# Altium PCB KEA once.PcbDoc (part 4 of 4)
Units mil, origin at the board's own origin, x right, y up, seen from the top; angles counter-clockwise.
Board outline 3229.26 x 1991.89 mil, 2 copper layers (Top Layer, Bottom Layer); 76 components, 82 nets, 488 pads, 56 vias.
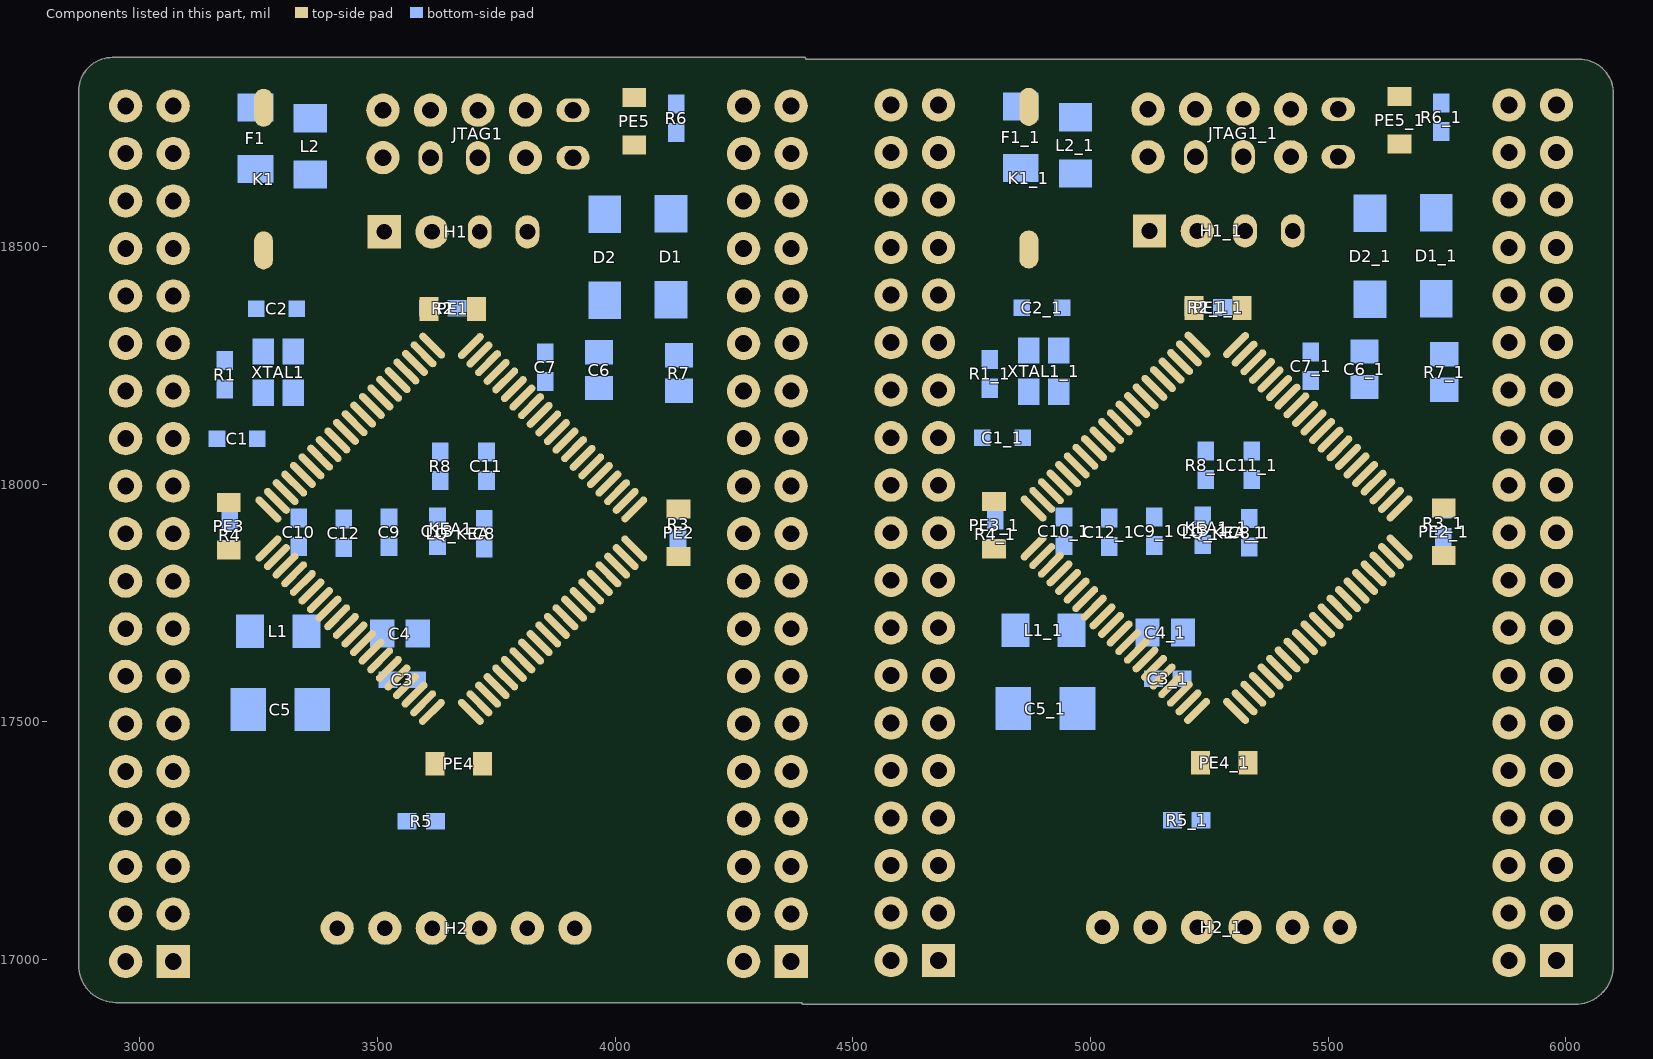
[diagram p4: the components of this part, seen from the top]

## Via types
v1: diameter 30, hole 15, Top Layer to Bottom Layer, 56 vias

## Nets (pads, with @x,y where several pads share a name; then routed paths per layer and width w, separated by ;. In a path a pad name is that pad's centre, name@x,y a point inside that pad or via, vN(x,y) a via of type N, cw(c..) or ccw(c..) an arc to the next point about the centre after c; other vN are vias at no path point) (continued)
copper on no net: (continued)
  Bottom Layer w40: 4580,18798 4649,18867 5911,18867 5980,18798 ; 4580,18813 ccw(c4580,18849.21) 4605.61,18823.61 ccw(c4631.21,18798) 4595,18798 ; 4680,16998 4955,16998 5025,17068 ; 4680,18783 cw(c4680,18746.79) 4705.61,18772.39 cw(c4731.21,18798) 4695,18798 ; 4680,18798 4766,18712 4766,18548 4820,18494 4832,18494 ; 4690.61,16987.39 cw(c4716.21,16961.79) 4716.21,16998 cw(c4716.21,17034.21) 4690.61,17008.61 ; 4798.63,17924.97 cw(c4806.96,17868.96) 4847,17909 ; 4799,17925 4831,17925 4847,17909 ; 4825.13,17547.87 ccw(c4784.65,17588.35) 4841.89,17588.35 ; 4835.15,17705.21 ccw(c4806.55,17733.81) 4847,17733.81 ; 4837.5,17503 cw(c4837.5,17442.64) 4880.18,17485.32 ; 4860.97,18804.53 ccw(c4860.97,18868.64) 4906.3,18823.3 ; 4870,18787 4943,18860 ; 4944,17871 5134,17871 5236,17871 ; 4944,17931 4947,17928 5236,17928 5334,17928 v1(5487,17928) 5487,17664 ; 4968,18772.11 5057,18683.11 5057,18600 5124,18533 5134,18533 5274,18393 ; 4972.5,17528 4990.5,17510 5168,17510 5192,17534 ; 4983,18772.11 ccw(c5019.21,18772.11) 4993.61,18746.5 ; 4984.87,17532.87 ccw(c5040.1,17588.1) 5040.1,17510 ; 5010,17068 cw(c4973.79,17068) 4999.39,17042.39 cw(c5025,17016.79) 5025,17053 ; v1(5094,17382) 5192,17480 5192,17534 ; 5109,18533 ccw(c5072.79,18533) 5098.39,18558.61 ccw(c5124,18584.21) 5124,18548 ; 5114.39,17078.61 ccw(c5088.79,17104.21) 5125,17104.21 ccw(c5161.21,17104.21) 5135.61,17078.61 ; 5124,18518 cw(c5124,18457.64) 5166.68,18500.32 ; 5125,17068 5125,17246 5063.5,17302 ; 5134,17931 5134,18122 v1(5057,18199) 5175,18317 5250,18317 5277,18344 ; 5236,17873 5236,17871 ; 5236,17933 5242,17939 5242,18010 ; 5257.2,18324.2 ccw(c5209.4,18372) 5277,18372 ; 5264.27,18402.73 cw(c5233.54,18372) 5277,18372 ; 5278.99,18373.51 cw(c5261.11,18359.9) 5277,18344 ; v1(5325,17688) 5194.4,17688 ; 5331,17871 5236,17871 ; 5339,17933 5339,18010 ; v1(5339,18070) 5464,18070 v1(5545,18151) ; 5463,18278 5464.4,18279.4 5561.4,18279.4 ; 5474,18858 5521,18811 5521,18789 ; 5479.84,18852.16 cw(c5416.67,18789) 5506,18789 ; v1@5528,18478 ccw(c5598.01,18478) 5548.51,18428.49 ; v1@5528.75,18480.63 ccw(c5554,18465) 5533,18444 ; v1(5533,18478) 5533,18444 ; 5554.93,18422.07 ccw(c5588,18455.13) 5588,18408.37 ; 5576,18279.4 5588,18291.4 5588,18389 ; 5575.98,18283.35 ccw(c5546.97,18312.36) 5588,18312.36 ; 5577.78,18373.86 cw(c5553.12,18349.2) 5588,18349.2 cw(c5622.88,18349.2) 5598.22,18373.86 ; 5588,18570.1 5589,18571.1 5727,18571.1 ; 5598.22,18378.78 cw(c5622.88,18354.12) 5622.88,18389 cw(c5622.88,18423.88) 5598.22,18399.22 ; 5598.22,18559.89 cw(c5625.3,18532.81) 5625.3,18571.1 ; 5689.08,17866.08 cw(c5742,17813.16) 5742,17888 ; 5689.08,17909.92 ccw(c5742,17962.84) 5742,17888 ; 5689.7,18389 ccw(c5689.7,18427.3) 5716.78,18400.22 ; 5716.78,18560.89 ccw(c5692.12,18536.22) 5692.12,18571.1 ccw(c5692.12,18605.98) 5716.78,18581.32 ; 5716.78,18586.24 ccw(c5665.56,18637.46) 5738,18637.46 ; 5727,18390 5726,18389 5588,18389 ; 5727,18551.73 cw(c5727,18432.79) 5811.11,18516.89 ; 5738,18742 5738,18582.1 5727,18571.1 ; 5743.54,17886.03 cw(c5728.38,17905.38) 5711,17888 ; 5743.54,17889.97 ccw(c5728.38,17870.62) 5711,17888 ; 5748.91,18204.1 ccw(c5761.34,18274.65) 5812,18224 ; 5965,18798 ccw(c5928.79,18798) 5954.39,18823.61 ccw(c5980,18849.21) 5980,18813 ; 4847,17909 4847,17698.11 4841.89,17693 4841.89,17532.39 4837.5,17528 5063.5,17302 ; 5063.5,17302 5088.38,17302 5138.12,17302 5163,17302 5172,17293 5172,17349 5487,17664 ; 5153.81,17302 cw(c5153.81,17277.31) 5171.27,17294.77 ; 5153.81,17302 cw(c5153.81,17277.31) 5171.27,17294.77 ; 5153.81,17302 cw(c5153.81,17277.31) 5171.27,17294.77 ; 5192,17534 5192,17591 5194.4,17593.4 5194.4,17688 ; 5194.4,17688 5236,17729.6 5236,17871 ; 5277,18344 5277,18372 ; 5487,17664 5711,17888 ; 5533,18444 5588,18389 ; 5711,17888 5742,17888 ; 5711,17888 5672,17927 5672,18126.6 5744,18198.6 5786.6,18198.6 5812,18224 ; 5727,18571.1 5756.9,18571.1 5812,18516 5812,18224
  other v1: 4797,17864 5743,17950 4907,18143 5236,18193 5217,18372 3350,18443 4960,18445 5738,18799

## Polygon pours and split planes (outlines as drawn)
AGND on Bottom Layer "Bottom Layer-No Net" (hatched 45Degree grid 20 track 8, remove dead copper, pour order 6): 2941.5,18897 2941,18897 ccw(c2941,18827) 2871,18827 2871,16991.94 ccw(c2952.94,16991.94) 2952.94,16910 4388,16910 4392,16910 ccw(c4392,16990) 4472,16990 4472,18825.04 ccw(c4400.04,18825.04) 4400.04,18897 4398,18897 2941,18897
no net on Bottom Layer "Bottom Layer-No Net" (hatched 45Degree grid 20 track 8, remove dead copper, pour order 5): 4551.5,18899 4551,18899 ccw(c4551,18829) 4481,18829 4481,16993.94 ccw(c4562.94,16993.94) 4562.94,16912 5998,16912 6002,16912 ccw(c6002,16992) 6082,16992 6082,18827.04 ccw(c6010.04,18827.04) 6010.04,18899 6008,18899 4551,18899
AGND on Top Layer "Bottom Layer-No Net" (hatched 45Degree grid 20 track 8, remove dead copper, pour order 8): 2942,18897 ccw(c2942,18826) 2871,18826 2871,16991.94 ccw(c2952.94,16991.94) 2952.94,16910 4392,16910 ccw(c4392,16989) 4471,16989 4471,16994 4471,18826 cw(c4475,18826) 4475,18830 ccw(c4408,18830) 4408,18897 4358,18897 2942,18897 2941,18897 ccw(c2941,18827) 2871,18827
no net on Top Layer "Bottom Layer-No Net" (hatched 45Degree grid 20 track 8, remove dead copper, pour order 7): 4552,18899 ccw(c4552,18828) 4481,18828 4481,16993.94 ccw(c4562.94,16993.94) 4562.94,16912 6002,16912 ccw(c6002,16991) 6081,16991 6081,16996 6081,18828 cw(c6085,18828) 6085,18832 ccw(c6018,18832) 6018,18899 5968,18899 4552,18899 4551,18899 ccw(c4551,18829) 4481,18829

## Keep-outs
Keep-Out Layer:
  lines w7.87: 4398,18897 2942,18897 2941,18897 ccw(c2941,18827) 2871,18827 2871,16991.94 ccw(c2952.94,16991.94) 2952.94,16910 4392,16910 ccw(c4392,16990) 4472,16990 4472,18774 4472,18825.04 ccw(c4400.04,18825.04) 4400.04,18897 ; 6008,18899 4552,18899 4551,18899 ccw(c4551,18829) 4481,18829 4481,16993.94 ccw(c4562.94,16993.94) 4562.94,16912 6002,16912 ccw(c6002,16992) 6082,16992 6082,18776 6082,18827.04 ccw(c6010.04,18827.04) 6010.04,18899

## Silkscreen, mask and mechanical layers (free items; w line width, h text height)
Top Overlay:
  text "集美大学" at 5605,17636 h118.11 r270
  text "集美大学" at 3995,17634 h118.11 r270

## Text inside footprints (layer, text, board x,y; h text height)
JTAG1: Top Overlay "2" at 4011,18707 h50 r180; Top Overlay "1" at 3991,18807 h50 r180; Top Overlay "9" at 3451,18807 h50 r180; Top Overlay "10" at 3451,18707 h50 r180
JTAG1_1: Top Overlay "2" at 5621,18709 h50 r180; Top Overlay "1" at 5601,18809 h50 r180; Top Overlay "9" at 5061,18809 h50 r180; Top Overlay "10" at 5061,18709 h50 r180
LQ_KEA: Top Overlay "-" at 3095.15,18837.26 h59.06 r90; Top Overlay "+" at 4392,18836.87 h59.06 r90; Top Overlay "-" at 4293.57,18837.26 h59.06 r90; Top Overlay "+" at 2995.15,18837.65 h59.06 r90; Top Overlay "C3" at 2927.82,17765.21 h39.37 r90; Top Overlay "H2" at 2927.82,18362.85 h39.37 r90; Top Overlay "5V" at 4457.35,18767.97 h39.37 r90; Top Overlay "A5" at 4457.35,18662.85 h39.37 r90; Top Overlay "C5" at 4457.35,18564.42 h39.37 r90; Top Overlay "E1" at 4456.96,18472.3 h39.37 r90; Top Overlay "G1" at 4457.35,18370.72 h39.37 r90; Top Overlay "G3" at 4457.35,18261.67 h39.37 r90; Top Overlay "E3" at 4456.96,18173.09 h39.37 r90; Top Overlay "I3" at 4457.35,18073.48 h39.37 r90; Top Overlay "C7" at 4457.35,17960.09 h39.37 r90; Top Overlay "A1" at 4457.35,17866 h39.37 r90; Top Overlay "A3" at 4457.35,17768.36 h39.37 r90; Top Overlay "D3" at 4457.35,17668.36 h39.37 r90; Top Overlay "F0" at 4457.35,17570.33 h39.37 r90; Top Overlay "G4" at 4457.35,17466.39 h39.37 r90; Top Overlay "G6" at 4457.35,17371.12 h39.37 r90; Top Overlay "E4" at 4457.35,17270.33 h39.37 r90; Top Overlay "A7" at 4457.35,17163.24 h39.37 r90; Top Overlay "F3" at 4457.35,17067.18 h39.37 r90; Top Overlay "GND" at 4224.28,18749.86 h39.37 r90; Top Overlay "A4" at 4224.28,18658.52 h39.37 r90; Top Overlay "C4" at 4224.28,18557.73 h39.37 r90; Top Overlay "E0" at 4224.28,18460.88 h39.37 r90; Top Overlay "G0" at 4224.28,18360.49 h39.37 r90; Top Overlay "G2" at 4224.28,18261.67 h39.37 r90; Top Overlay "E2" at 4224.28,18163.64 h39.37 r90; Top Overlay "I2" at 4224.28,18067.97 h39.37 r90; Top Overlay "C6" at 4224.28,17960.09 h39.37 r90; Top Overlay "A0" at 4224.28,17866 h39.37 r90; Top Overlay "A2" at 4224.28,17768.36 h39.37 r90; Top Overlay "D2" at 4224.28,17668.36 h39.37 r90; Top Overlay "D4" at 4224.28,17565.61 h39.37 r90; Top Overlay "F1" at 4224.28,17477.02 h39.37 r90; Top Overlay "G5" at 4224.28,17371.12 h39.37 r90; Top Overlay "G7" at 4224.28,17270.33 h39.37 r90; Top Overlay "A6" at 4224.28,17163.24 h39.37 r90; Top Overlay "F2" at 4224.28,17067.18 h39.37 r90; Top Overlay "B0" at 4224.28,16966.79 h39.37 r90; Top Overlay "GND" at 3159.71,18749.07 h39.37 r90; Top Overlay "D0" at 3159.71,18657.73 h39.37 r90; Top Overlay "H6" at 3159.71,18569.54 h39.37 r90; Top Overlay "E7" at 3160.11,18468.76 h39.37 r90; Top Overlay "B7" at 3159.71,18363.64 h39.37 r90; Top Overlay "I4" at 3160.11,18273.87 h39.37 r90; Top Overlay "I0" at 3160.11,18172.69 h39.37 r90; Top Overlay "H0" at 3159.71,18068.36 h39.37 r90; Top Overlay "E5" at 3160.11,17971.9 h39.37 r90; Top Overlay "B4" at 3159.71,17869.15 h39.37 r90; Top Overlay "C2" at 3160.5,17766.39 h39.37 r90; Top Overlay "D6" at 3159.71,17671.51 h39.37 r90; Top Overlay "I6" at 3158.53,17575.05 h39.37 r90; Top Overlay "C1" at 3159.71,17469.54 h39.37 r90; Top Overlay "H4" at 3159.71,17374.27 h39.37 r90; Top Overlay "F7" at 3160.11,17266.79 h39.37 r90; Top Overlay "F5" at 3160.11,17171.12 h39.37 r90; Top Overlay "B3" at 3159.71,17070.33 h39.37 r90; Top Overlay "GND" at 3158.53,16944.35 h39.37 r90; Top Overlay "5V" at 2916,18772 h39.37 r90; Top Overlay "D1" at 2927.82,18671.12 h39.37 r90; Top Overlay "H7" at 2927.82,18566.39 h39.37 r90; Top Overlay "H5" at 2927.82,18463.24 h39.37 r90; Top Overlay "B6" at 2927.82,18264.03 h39.37 r90; Top Overlay "I1" at 2927.82,18176.24 h39.37 r90; Top Overlay "H1" at 2927.82,18068.76 h39.37 r90; Top Overlay "E6" at 2927.82,17971.9 h39.37 r90; Top Overlay "B5" at 2927.82,17868.36 h39.37 r90; Top Overlay "D7" at 2927.82,17670.72 h39.37 r90; Top Overlay "D5" at 2927.82,17567.97 h39.37 r90; Top Overlay "I5" at 2926.64,17473.87 h39.37 r90; Top Overlay "C0" at 2927.82,17367.97 h39.37 r90; Top Overlay "H3" at 2927.82,17272.69 h39.37 r90; Top Overlay "F6" at 2927.82,17165.61 h39.37 r90; Top Overlay "F4" at 2927.82,17069.54 h39.37 r90; Top Overlay "B2" at 2927.82,16965.61 h39.37 r90; Top Overlay "B1" at 4455.78,16972.3 h39.37 r90
LQ_KEA_1: Top Overlay "-" at 4705.15,18839.26 h59.06 r90; Top Overlay "+" at 6002,18838.87 h59.06 r90; Top Overlay "-" at 5903.57,18839.26 h59.06 r90; Top Overlay "+" at 4605.15,18839.65 h59.06 r90; Top Overlay "C3" at 4537.82,17767.21 h39.37 r90; Top Overlay "H2" at 4537.82,18364.85 h39.37 r90; Top Overlay "5V" at 6067.35,18769.97 h39.37 r90; Top Overlay "A5" at 6067.35,18664.85 h39.37 r90; Top Overlay "C5" at 6067.35,18566.42 h39.37 r90; Top Overlay "E1" at 6066.96,18474.3 h39.37 r90; Top Overlay "G1" at 6067.35,18372.72 h39.37 r90; Top Overlay "G3" at 6067.35,18263.67 h39.37 r90; Top Overlay "E3" at 6066.96,18175.09 h39.37 r90; Top Overlay "I3" at 6067.35,18075.48 h39.37 r90; Top Overlay "C7" at 6067.35,17962.09 h39.37 r90; Top Overlay "A1" at 6067.35,17868 h39.37 r90; Top Overlay "A3" at 6067.35,17770.36 h39.37 r90; Top Overlay "D3" at 6067.35,17670.36 h39.37 r90; Top Overlay "F0" at 6067.35,17572.33 h39.37 r90; Top Overlay "G4" at 6067.35,17468.39 h39.37 r90; Top Overlay "G6" at 6067.35,17373.12 h39.37 r90; Top Overlay "E4" at 6067.35,17272.33 h39.37 r90; Top Overlay "A7" at 6067.35,17165.24 h39.37 r90; Top Overlay "F3" at 6067.35,17069.18 h39.37 r90; Top Overlay "GND" at 5834.28,18751.86 h39.37 r90; Top Overlay "A4" at 5834.28,18660.52 h39.37 r90; Top Overlay "C4" at 5834.28,18559.73 h39.37 r90; Top Overlay "E0" at 5834.28,18462.88 h39.37 r90; Top Overlay "G0" at 5834.28,18362.49 h39.37 r90; Top Overlay "G2" at 5834.28,18263.67 h39.37 r90; Top Overlay "E2" at 5834.28,18165.64 h39.37 r90; Top Overlay "I2" at 5834.28,18069.97 h39.37 r90; Top Overlay "C6" at 5834.28,17962.09 h39.37 r90; Top Overlay "A0" at 5834.28,17868 h39.37 r90; Top Overlay "A2" at 5834.28,17770.36 h39.37 r90; Top Overlay "D2" at 5834.28,17670.36 h39.37 r90; Top Overlay "D4" at 5834.28,17567.61 h39.37 r90; Top Overlay "F1" at 5834.28,17479.02 h39.37 r90; Top Overlay "G5" at 5834.28,17373.12 h39.37 r90; Top Overlay "G7" at 5834.28,17272.33 h39.37 r90; Top Overlay "A6" at 5834.28,17165.24 h39.37 r90; Top Overlay "F2" at 5834.28,17069.18 h39.37 r90; Top Overlay "B0" at 5834.28,16968.79 h39.37 r90; Top Overlay "GND" at 4769.71,18751.07 h39.37 r90; Top Overlay "D0" at 4769.71,18659.73 h39.37 r90; Top Overlay "H6" at 4769.71,18571.54 h39.37 r90; Top Overlay "E7" at 4770.11,18470.76 h39.37 r90; Top Overlay "B7" at 4769.71,18365.64 h39.37 r90; Top Overlay "I4" at 4770.11,18275.87 h39.37 r90; Top Overlay "I0" at 4770.11,18174.69 h39.37 r90; Top Overlay "H0" at 4769.71,18070.36 h39.37 r90; Top Overlay "E5" at 4770.11,17973.9 h39.37 r90; Top Overlay "B4" at 4769.71,17871.15 h39.37 r90; Top Overlay "C2" at 4770.5,17768.39 h39.37 r90; Top Overlay "D6" at 4769.71,17673.51 h39.37 r90; Top Overlay "I6" at 4768.53,17577.05 h39.37 r90; Top Overlay "C1" at 4769.71,17471.54 h39.37 r90; Top Overlay "H4" at 4769.71,17376.27 h39.37 r90; Top Overlay "F7" at 4770.11,17268.79 h39.37 r90; Top Overlay "F5" at 4770.11,17173.12 h39.37 r90; Top Overlay "B3" at 4769.71,17072.33 h39.37 r90; Top Overlay "GND" at 4768.53,16946.35 h39.37 r90; Top Overlay "5V" at 4526,18774 h39.37 r90; Top Overlay "D1" at 4537.82,18673.12 h39.37 r90; Top Overlay "H7" at 4537.82,18568.39 h39.37 r90; Top Overlay "H5" at 4537.82,18465.24 h39.37 r90; Top Overlay "B6" at 4537.82,18266.03 h39.37 r90; Top Overlay "I1" at 4537.82,18178.24 h39.37 r90; Top Overlay "H1" at 4537.82,18070.76 h39.37 r90; Top Overlay "E6" at 4537.82,17973.9 h39.37 r90; Top Overlay "B5" at 4537.82,17870.36 h39.37 r90; Top Overlay "D7" at 4537.82,17672.72 h39.37 r90; Top Overlay "D5" at 4537.82,17569.97 h39.37 r90; Top Overlay "I5" at 4536.64,17475.87 h39.37 r90; Top Overlay "C0" at 4537.82,17369.97 h39.37 r90; Top Overlay "H3" at 4537.82,17274.69 h39.37 r90; Top Overlay "F6" at 4537.82,17167.61 h39.37 r90; Top Overlay "F4" at 4537.82,17071.54 h39.37 r90; Top Overlay "B2" at 4537.82,16967.61 h39.37 r90; Top Overlay "B1" at 6065.78,16974.3 h39.37 r90